# KiCad board nsec-badge-2025.kicad_pcb (continued)
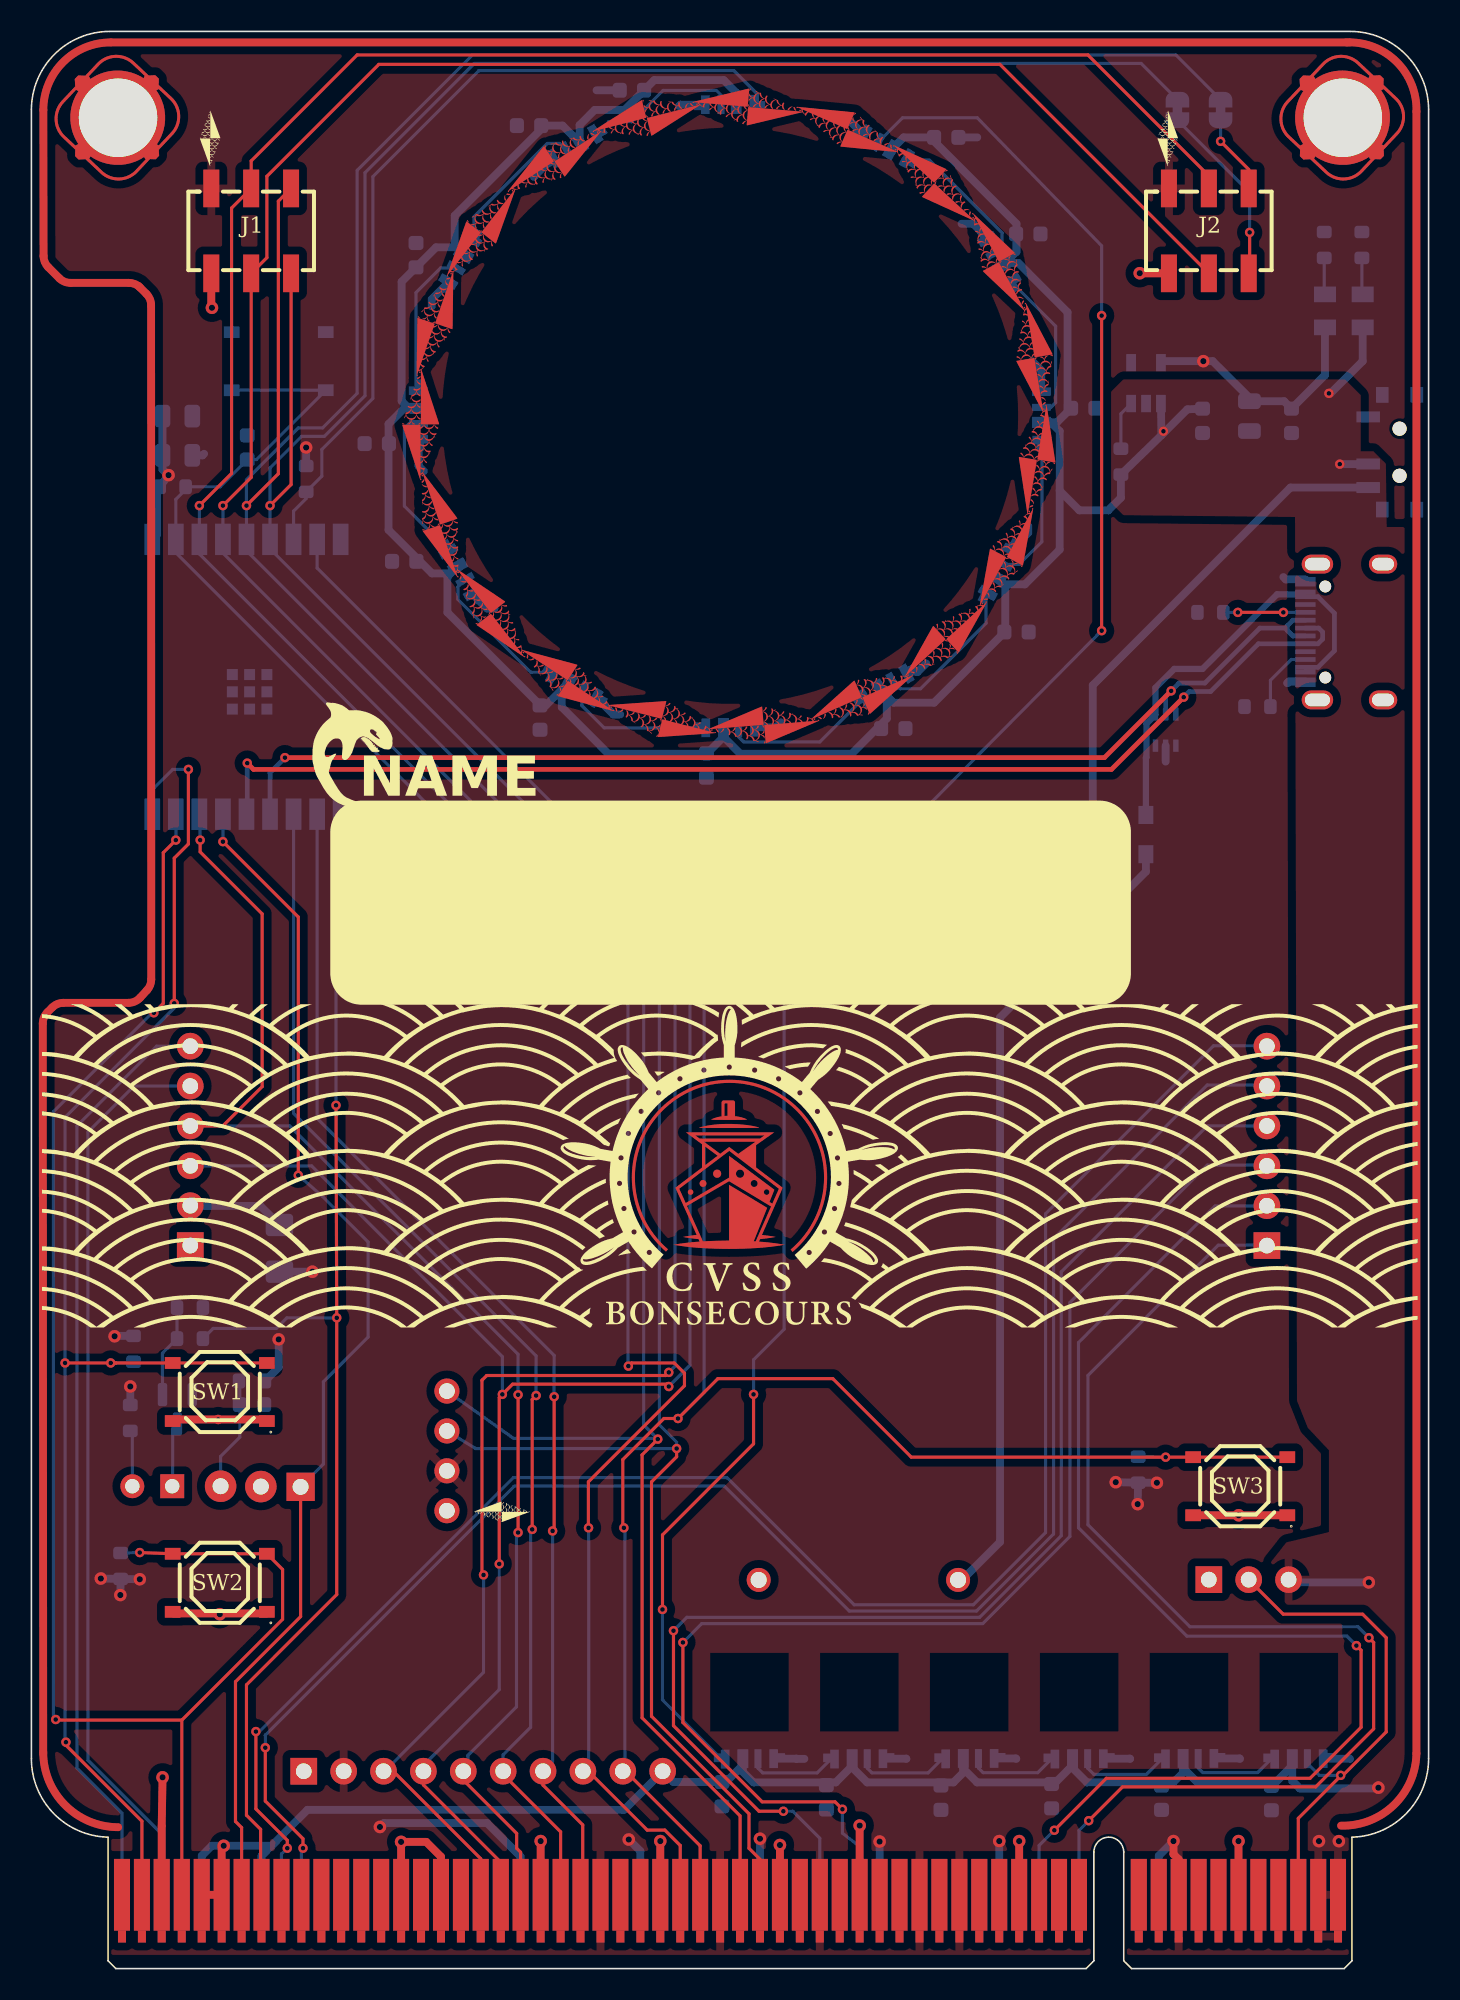
[diagram p0: board, top side]
## Footprints (pads in the part's own frame, mm; a bottom-side part is the same pattern mirrored in y, then rotated) (continued)
  rect 1.02x4.57 smd: B1(-38.73,1.33) B2(-37.46,1.33) B3(-36.2,1.33) B4(-34.92,1.33) B5(-33.65,1.33) B6(-32.38,1.33) B7(-31.11,1.33) B8(-29.84,1.33) B9(-28.57,1.33) B10(-27.3,1.33) B11(-26.03,1.33) B12(-24.77,1.33) B13(-23.49,1.33) B14(-22.22,1.33) B15(-20.95,1.33) B16(-19.68,1.33) B17(-18.41,1.33) B18(-17.14,1.33) B19(-15.88,1.33) B20(-14.6,1.33) B21(-13.34,1.33) B22(-12.06,1.33) B23(-10.79,1.33) B24(-9.52,1.33) B25(-8.25,1.33) B26(-6.98,1.33) B27(-5.71,1.33) B28(-4.44,1.33) B29(-3.17,1.33) B30(-1.9,1.33) B31(-0.63,1.33) B32(0.64,1.33) B33(1.91,1.33) B34(3.18,1.33) B35(4.45,1.33) B36(5.72,1.33) B37(6.99,1.33) B38(8.26,1.33) B39(9.53,1.33) B40(10.8,1.33) B41(12.07,1.33) B42(13.34,1.33) B43(14.61,1.33) B44(15.88,1.33) B45(17.15,1.33) B46(18.42,1.33) B47(19.69,1.33) B48(20.96,1.33) B49(22.23,1.33) B52(26.04,1.33) B53(27.31,1.33) B54(28.58,1.33) B55(29.85,1.33) B56(31.12,1.33) B57(32.39,1.33) B58(33.66,1.33) B59(34.93,1.33) B60(36.2,1.33) B61(37.47,1.33) B62(38.73,1.33)
  rect 0.51x0.76 smd: B1(-38.73,-1.33) B2(-37.46,-1.33) B3(-36.2,-1.33) B4(-34.92,-1.33) B5(-33.65,-1.33) B6(-32.38,-1.33) B7(-31.11,-1.33) B8(-29.84,-1.33) B9(-28.57,-1.33) B10(-27.3,-1.33) B11(-26.03,-1.33) B12(-24.77,-1.33) B13(-23.49,-1.33) B14(-22.22,-1.33) B15(-20.95,-1.33) B16(-19.68,-1.33) B17(-18.41,-1.33) B18(-17.14,-1.33) B19(-15.88,-1.33) B20(-14.6,-1.33) B21(-13.34,-1.33) B22(-12.06,-1.33) B23(-10.79,-1.33) B24(-9.52,-1.33) B25(-8.25,-1.33) B26(-6.98,-1.33) B27(-5.71,-1.33) B28(-4.44,-1.33) B29(-3.17,-1.33) B30(-1.9,-1.33) B31(-0.63,-1.33) B32(0.64,-1.33) B33(1.91,-1.33) B34(3.18,-1.33) B35(4.45,-1.33) B36(5.72,-1.33) B37(6.99,-1.33) B38(8.26,-1.33) B39(9.53,-1.33) B40(10.8,-1.33) B41(12.07,-1.33) B42(13.34,-1.33) B43(14.61,-1.33) B44(15.88,-1.33) B45(17.15,-1.33) B46(18.42,-1.33) B47(19.69,-1.33) B48(20.96,-1.33) B49(22.23,-1.33) B52(26.04,-1.33) B53(27.31,-1.33) B54(28.58,-1.33) B55(29.85,-1.33) B56(31.12,-1.33) B57(32.39,-1.33) B58(33.66,-1.33) B59(34.93,-1.33) B60(36.2,-1.33) B61(37.47,-1.33) B62(38.73,-1.33)
C_0603_1608Metric
  rrect 0.9x0.95 smd: 1(-0.775,0) 2(0.775,0)
C_0805_2012Metric
  rrect 1x1.45 smd: 1(-0.95,0) 2(0.95,0)
Fuse_1206_3216Metric_Pad1.42x1.75mm_HandSolder
  rrect 1.425x1.75 smd: 1(-1.488,0) 2(1.488,0)
HDR-SMD_6P-P2.54-V-F-R2-C3-LS7.0
  rect 1.02x2.4 smd: 1(-2.54,2.704) 2(0,2.704) 3(2.54,2.704) 4(2.54,-2.704) 5(0,-2.704) 6(-2.54,-2.704)
LANYARD-HOLE-4mm
  custom 7.999x8 hole 5: 1(0,0)
LED0805-R-RD
  rect 1x1.4 smd: 1(1.05,0) 2(-1.05,0)
LED-SMD_SK6812SIDE-A_C5378721
  custom 1x1.2 smd: 1(-1.768,0.013) 4(1.768,-0.013)
  custom 0.7x1.2 smd: 2(-0.418,-0.012)
  custom 0.45x1.2 smd: 3(0.543,-0.012)
LED-TH_L2.9-W2.9-P2.54-FD
  rect 1.524x1.524 hole 0.914: 1(-1.27,0)
  round 1.524 hole 0.914: 2(1.27,0)
OLED-TH_L38.0-W12.0_HS91L02W2C01
  round 1.6 hole 1: 1(0,-3.81) 2(0,-1.27) 3(0,1.27) 4(0,3.81)
PinHeader_1x10_P2.54mm_Vertical
  rect 1.7x1.7 hole 1: 1(0,0)
  oval 1.7x1.7 hole 1: 2(0,-2.54) 3(0,-5.08) 4(0,-7.62) 5(0,-10.16) 6(0,-12.7) 7(0,-15.24) 8(0,-17.78) 9(0,-20.32) 10(0,-22.86)
PinSocket_1x03_P2.54mm_Vertical
  rect 1.7x1.7 hole 1: 1(0,0)
  oval 1.7x1.7 hole 1: 2(0,-2.54) 3(0,-5.08)
PinSocket_1x06_P2.54mm_Vertical
  rect 1.7x1.7 hole 1: 1(0,0)
  oval 1.7x1.7 hole 1: 2(0,-2.54) 3(0,-5.08) 4(0,-7.62) 5(0,-10.16) 6(0,-12.7)
R_0603_1608Metric
  rrect 0.8x0.95 smd: 1(-0.825,0) 2(0.825,0)
SENSOR-TH_TSOP34838
  rect 1.803x1.803 hole 1.016: 1(-2.548,-0.02)
  round 2.007 hole 1.016: 2(-0.015,-0.003) 3(2.548,0.02)
SOD-123_L2.8-W1.8-LS3.7-RD
  rect 0.95x1.15 smd: 1(-1.692,0) 2(1.692,0)
SolderJumper-2_P1.3mm_Bridged_RoundedPad1.0x1.5mm
  custom 1x1.5 smd: 1(-0.65,0) 2(0.65,0)
SOT-23
  rrect 1.475x0.6 smd: 1(-0.938,0.95) 2(-0.938,-0.95) 3(0.938,0)
SOT-25-5_L2.9-W1.6-P0.95-LS2.8-BL
  rect 0.622x1.105 smd: 1(-0.95,-1.3) 2(-0.001,-1.3) 3(0.95,-1.3) 4(0.95,1.3) 5(-0.95,1.3)
SOT-363_L2.0-W1.3-P0.65-LS2.1-BL
  rect 0.35x0.78 smd: 1(-0.65,-0.99) 2(0,-0.99) 3(0.65,-0.99) 4(0.65,0.99) 5(0,0.99) 6(-0.65,0.99)
SW-SMD_4P-L5.1-W5.1-P3.70-LS6.5-TL_H1.5
  rect 1x0.75 smd: 1(-3,1.85) 2(3,1.85) 3(-3,-1.85) 4(3,-1.85)
SW-SMD_SSSS811101
  round 0.9 hole 0.9 unplated: (-1.5,-0.45) (1.5,-0.45)
  rect 0.7x1.5 smd: 1(-2.25,1.55) 2(0.75,1.55) 3(2.25,1.55)
  rect 1x0.8 smd: 4(-3.65,0.65) 5(3.65,0.65) 6(3.65,-1.55) 7(-3.65,-1.55)
USB-C_SMD-TYPE-C-31-M-12
  round 0.75 hole 0.75 unplated: (-2.9,1.206) (2.9,1.206)
  oval 1.2x2 hole 0.8x1.6: 0(-4.325,1.706) 1(4.325,1.706)
  oval 1.2x1.8 hole 0.8x1.4: 2(4.325,-2.474) 3(-4.325,-2.474)
  rect 0.3x1.3 smd: A1(-3.35,2.474) A4(-2.55,2.474) A5(-1.25,2.474) A6(-0.25,2.474) A7(0.25,2.474) A8(1.25,2.474) A9(2.55,2.474) A12(3.35,2.474) B1(3.05,2.474) B4(2.25,2.474) B5(1.75,2.474) B6(0.75,2.474) B7(-0.75,2.474) B8(-1.75,2.474) B9(-2.25,2.474) B12(-3.05,2.474)

## Nets
+3V3: C2.1 C3.1 C18.1 C19.1 F1.1 J1.1 J2.1 J3.2 J5.A21 J5.A27 J5.A33 J5.A39 J5.A45 J5.A53 J5.B25 J5.B31 J5.B36 J5.B41 J5.B43 J5.B54 LED2.1 R6.1 R7.1 R8.1 R9.1 R10.1 R11.1 R14.1 U1.1 U6.5 U7.2
GND: BT1.N C1.2 C2.2 C3.2 C4.2 C5.2 C6.2 C7.2 C8.2 C9.2 C10.2 C11.2 C12.2 C13.2 C14.2 C15.2 C16.2 C17.2 C18.2 C19.2 C20.2 C21.2 C22.2 C23.2 C24.2 C25.2 HOLE1.1 HOLE2.1 J1.6 J2.6 J3.1 J4.1 J5.A18 J5.A24 J5.A30 J5.A35 J5.A37 J5.A42 J5.A48 J5.A56 J5.B3 J5.B15 J5.B17 J5.B22 J5.B28 J5.B34 J5.B38 J5.B46 J5.B57 J6.1 KEY1.4 KEY1.5 KEY1.6 KEY1.7 Q1.2 R2.2 R3.2 R4.2 R5.2 R13.1 RGB1.4 RGB2.4 RGB3.4 RGB4.4 RGB5.4 RGB6.4 RGB7.4 RGB8.4 RGB9.4 RGB10.4 RGB11.4 RGB12.4 RGB13.4 RGB14.4 RGB15.4 RGB16.4 RGB17.4 RGB18.4 SW1.1 SW1.2 SW2.1 SW2.2 SW3.1 SW3.2 SW4.1 SW4.2 U1.9 U1.19 U2.0 U2.A1 U2.A12 U2.B1 U2.B12 U3.2 U5.2 U6.2 U7.1
SV1: J5.A3 J6.5
SV2: J5.A1 J6.6
SV3: J5.A49 J7.1
SV4: J5.A47 J7.2
SV5: J5.A38 J7.3
SV6: J5.A36 J7.4
SV7: J5.A10 J7.5
SV8: J5.A9 J7.6
VBAT: BT1.P D1.2
VBUS: D2.2 U2.A4 U2.A9 U2.B4 U2.B9 U3.4
VDD: C1.1 C5.1 C6.1 C7.1 C8.1 C9.1 C10.1 C11.1 C12.1 C13.1 C14.1 C15.1 C16.1 C20.1 C21.1 C22.1 C23.1 C24.1 C25.1 J3.10 J4.3 J5.A5 J5.A8 J5.A61 J5.A62 J5.B5 J5.B6 J5.B61 J5.B62 KEY1.2 LED1.1 R1.1 RGB1.2 RGB2.2 RGB3.2 RGB4.2 RGB5.2 RGB6.2 RGB7.2 RGB8.2 RGB9.2 RGB10.2 RGB11.2 RGB12.2 RGB13.2 RGB14.2 RGB15.2 RGB16.2 RGB17.2 RGB18.2 U6.1
BTN_A: J3.9 J5.B30 R9.2 SW3.3 SW3.4 U1.8
BTN_DOWN: J5.B4 R8.2 SW2.3 SW2.4 U1.17
BTN_UP: J5.B2 R7.2 SW1.3 SW1.4 U1.18
GPIO1: J1.3 J3.3 J5.B19 JP1.2 U1.5
GPIO2: J1.4 J3.4 J5.B20 J6.3 JP2.1 U1.6
GPIO3: J3.5 J5.B21 J6.4 U1.16
I2C_SCL: J1.5 J2.5 J5.B33 U1.4 U7.3
I2C_SDA: J1.2 J2.2 J5.B32 U1.3 U7.4
IR_IN: J5.B7 U1.15 U5.1
IR_OUT: J5.B8 R12.1 U1.10
POWER_IN: D1.1 D2.1 KEY1.3
RESET: C4.1 J3.8 J5.B29 R6.2 SW4.3 SW4.4 U1.2
RGB_LED: R14.2 RGB1.1 U1.7
RGB_OUT: J4.2 J5.B60 RGB18.3
UART_RX: J3.7 J5.B24 U1.11
UART_TX: J3.6 J5.B23 U1.12
USB_D+: U1.14 U2.A6 U2.B6 U3.6
USB_D-: U1.13 U2.A7 U2.B7 U3.5
Net-(J6-Pin_2): F1.2 J6.2
Net-(JP1-A): J2.3 JP1.1
Net-(JP2-B): J2.4 JP2.2
Net-(LED1--): LED1.2 R2.1
Net-(LED2--): LED2.2 R3.1
Net-(Q1-B): Q1.1 R12.2 R13.2
Net-(Q1-C): Q1.3 U4.1
Net-(RGB1-DOUT): RGB1.3 RGB2.1
Net-(RGB2-DOUT): RGB2.3 RGB3.1
Net-(RGB3-DOUT): RGB3.3 RGB4.1
Net-(RGB4-DOUT): RGB4.3 RGB5.1
Net-(RGB5-DOUT): RGB5.3 RGB6.1
Net-(RGB6-DOUT): RGB6.3 RGB7.1
Net-(RGB7-DOUT): RGB7.3 RGB8.1
Net-(RGB8-DOUT): RGB8.3 RGB9.1
Net-(RGB10-DIN): RGB9.3 RGB10.1
Net-(RGB10-DOUT): RGB10.3 RGB11.1
Net-(RGB11-DOUT): RGB11.3 RGB12.1
Net-(RGB12-DOUT): RGB12.3 RGB13.1
Net-(RGB13-DOUT): RGB13.3 RGB14.1
Net-(RGB14-DOUT): RGB14.3 RGB15.1
Net-(RGB15-DOUT): RGB15.3 RGB16.1
Net-(RGB16-DOUT): RGB16.3 RGB17.1
Net-(RGB17-DOUT): RGB17.3 RGB18.1
Net-(U2-CC1): R4.1 U2.A5
Net-(U2-CC2): R5.1 U2.B5
Net-(U4-A): R11.2 U4.2
Net-(U5-VS): C17.1 R10.2 U5.3
Net-(U6-EN): R1.2 U6.3

Pads without a net: J5 A2 A4 A6 A7 A11 A12 A13 A14 A15 A16 A17 A19 A20 A22 A23 A25 A26 A28 A29 A31 A32 A34 A40 A41 A43 A44 A46 A52 A54 A55 A57 A58 A59 A60 B1 B9 B10 B11 B12 B13 B14 B16 B18 B26 B27 B35 B37 B39 B40 B42 B44 B45 B47 B48 B49 B52 B53 B55 B56 B58 B59; KEY1 1; U2 1 2 3 A8 B8; U3 1 3; U6 4

## Via types
v1: diameter 0.8, hole 0.4, Top to Bottom, 36 vias
v2: diameter 0.6, hole 0.3, Top to Bottom, 65 vias

## Routing (per net, layer and track width the routed paths; a pad name or vN(x,y) marks a point on that pad's centre or on a via; arc(x,y) is an arc through that point)
+3V3: length 74.3
  Top w0.5: J5.B54 73.08,6.96 72.75,7.29 v1(72.75,8.12)
  Bottom w0.5: R10.1 15.75,38.3 v1(15.75,40.07) ; v1(17.5,96.87) R14.1 ; LED2.1 82.4,101.48 C3.1 79.79,99.82 C2.1 77.59,100.03 75.25,102.37 v1(74.65,102.37) 72.05,102.37 U6.5 ; J5.A27 38.79,7.48 v1(38.05,8.22) ; R7.1 5.33,40.3 v1(5.3,40.27) ; R8.1 v1(5.66,23.79) ; R8.1 v1(6.9,24.8) ; R8.1 v1(4.42,24.84) ; v1(72.75,8.12) 71.81,7.18 J5.A53 ; C18.1 C19.1 8.35,95.47 v1(8.74,95.11) R6.1 8,94.2 8,91.32 U1.1 ; J5.A39 v1(54.03,8.09) ; v1(6.3,37.07) R11.1 ; v1(22.2,9.02) 22.45,9.27 29.03,9.27 31.16,7.13 J5.A21 ; J5.A45 v1(61.65,8.12) ; v1(46.41,8.27) J5.A33 ; R9.1 v1(69.07,30.98) ; R9.1 v1(70.47,29.58) ; R9.1 v1(71.69,30.94) ; v1(17.9,44.38) F1.1
GND: length 95.4
  Top w0.5: v1(8.36,12.18) 8.3,9.07 J5.B3 ; J5.B28 40.06,8.06 ; 73.9,28.87 79.9,28.87 ; v1(52.76,9.11) J5.B38 ; J5.B34 v1(47.68,7.87) ; J5.B57 76.89,7.98 ; J5.B46 v1(62.92,8.12) ; J1.6 11.46,105.81 v1(11.5,105.77) ; 32.5,8.12 32.44,8.06 J5.B22 ; 9,34.97 15,34.97 ; v1(70.6,107.97) 70.61,107.96 J2.6 ; J5.B15 v1(23.55,8.07) 25.14,8.07 26.09,7.12 J5.B17 ; 9,22.62 15,22.62
  Bottom w0.4: 74.35,86.37 74.15,86.37
  Bottom w0.5: 47.75,79.37 47.43,79.05 RGB7.4 ; 25,95.37 24.66,95.71 RGB4.4 ; 41.25,118.62 41.34,118.71 RGB1.4 ; RGB13.4 48.72,13.37 48.74,13.36 49.24,13.36 ; 59.25,111.12 59.98,111.12 RGB11.4 ; 51.75,117.87 51.93,117.87 RGB12.4 ; RGB15.4 62.71,13.38 62.74,13.36 ; C5.2 36,119.62 ; RGB16.4 69.97,13.37 69.99,13.36 ; U2.A1 79.9,88.47 79.75,88.62 ; 11,96.47 10.9,96.37 C19.2 ; U3.2 72.25,76.87 ; RGB5.4 29.02,86.62 29.5,86.62 ; 32,114.12 32.02,114.12 RGB2.4 ; RGB6.4 37.07,79.87 37.5,79.87 ; RGB18.4 83.97,13.37 83.99,13.36 ; 25.5,105.87 25.5,106.3 RGB3.4 ; RGB9.4 63.5,91.44 63.5,91.87 ; 80.05,81.87 80,81.87 80.1,81.97 81.15,81.97 ; 76.99,13.36 76.96,13.38 RGB17.4 ; C16.2 60.25,116.62 ; 55.74,13.36 55.72,13.37 RGB14.4 ; 57,83.12 56.46,82.58 RGB8.4 ; 63.75,102.37 64.34,101.78 RGB10.4
  vias: v1(12,22.57) v1(32.44,8.12) v1(40.06,8.12) v1(76.9,28.87) v1(76.89,8.12) v2(11.9,34.97)
SV1: length 58.3
  Bottom w0.2: J6.5 6.53,56.2 3.6,53.27 3.6,13.27 8.3,8.57 J5.A3
SV2: length 59.5
  Bottom w0.2: J5.A1 5.77,9.9 2.9,12.77 2.9,53.67 7.97,58.75 10.17,58.75
SV3: length 76.8
  Top w0.2: v2(67.35,9.42) 69.5,11.57 81.8,11.57 85.5,15.27 85.5,20.77 v2(85.2,21.07)
  Bottom w0.2: v2(85.2,21.07) 84.5,21.77 73.8,21.77 67.3,28.27 67.3,37.77 75.6,46.07 78.72,46.07 78.75,46.05 ; J5.A49 66.73,8.8 v2(67.35,9.42)
SV4: length 80.4
  Top w0.2: v2(84.4,20.57) 84.7,20.27 84.7,15.37 81.45,12.12 68.47,12.12 v2(65.16,8.81)
  Bottom w0.2: 78.75,48.59 78.74,48.57 75.4,48.57 66.7,39.87 66.7,28.07 73.6,21.17 83.8,21.17 v2(84.4,20.57) ; J5.A47 64.19,7.84 v2(65.16,8.81)
SV5: length 84.2
  Top w0.2: v2(51.66,10.15) 51.19,10.62 46.55,10.62 41.5,15.67 v2(41.5,20.77)
  Bottom w0.2: 52.76,6.79 J5.A38 52.77,7.77 51.66,8.62 v2(51.66,10.15) ; v2(41.5,20.77) 42.7,21.97 60.6,21.97 66.15,27.52 66.15,42.42 74.9,51.17 78.71,51.17 78.75,51.12
SV6: length 83
  Top w0.2: v2(40.9,21.52) 40.9,15.47 46.35,10.02 v2(47.9,10.02)
  Bottom w0.2: 78.75,53.67 78.75,53.67 74.9,53.67 65.6,44.37 65.6,27.57 60.4,22.37 41.75,22.37 v2(40.9,21.52) ; J5.A36 50.22,8.3 48.5,10.02 v2(47.9,10.02)
SV7: length 109.8
  Top w0.2: v2(14.9,14.07) 14.9,10.67 17.3,8.27 v2(17.3,7.67)
  Bottom w0.2: v2(14.9,14.07) 14.9,14.87 30.75,30.72 44.15,30.72 52.1,22.77 60.2,22.77 65.11,27.68 65.11,46.48 74.9,56.27 78.69,56.27 78.75,56.2 ; J5.A10 17.2,7.57 v2(17.3,7.67)
SV8: length 112.5
  Top w0.2: v2(16.3,7.67) 16.3,8.17 14.3,10.17 v2(14.3,15.09)
  Bottom w0.2: 78.75,58.75 78.72,58.77 75.3,58.77 64.6,48.07 64.6,27.77 60,23.17 52.41,23.17 44.31,31.27 30.7,31.27 14.53,15.09 v2(14.3,15.09) ; J5.A9 15.93,7.3 v2(16.3,7.67)
VBAT: length 51.3
  Bottom w0.5: BT1.P 59.28,24.75 61.7,27.17 61.7,60.57 70.99,69.86 D1.2
VBUS: length 27.5
  Bottom w0.2: U2.B4 U2.A9
  Bottom w0.3: U2.B4 81.95,82.87 83,83.92 83,86.32 81.95,87.37 U2.B9
  Bottom w0.4: 81,87.52 79.35,87.52 74.6,82.77 72.8,82.77 71.6,81.57 U3.4 71.03,79.28 71.03,77.14 70.99,77.11 D2.2
VDD: length 280.1
  Top w0.5: 85.8,11.67 v1(85.8,11.52) 85.65,11.52 ; v1(12.25,7.82) 12.12,7.69 J5.B6 J5.A5
  Bottom w0.5: 44.09,78.44 45.16,77.37 52.25,77.37 54.49,79.61 54.49,81.04 RGB8.2 54.91,80.62 57.5,80.62 62.03,85.15 62.03,88.03 RGB9.2 61.91,88.16 63.29,88.16 65.5,90.37 65.5,97.91 64.94,98.47 ; 44.09,78.44 43.02,77.37 36.75,77.37 33.79,80.33 33.79,81.46 RGB6.2 32.77,80.45 32.43,80.45 26.5,86.37 26.5,88.66 RGB5.2 26.7,88.85 25.52,88.85 22.75,91.62 22.75,98.37 23.74,99.36 RGB4.2 24.06,99.36 23.58,99.84 23.58,107.43 25.78,109.62 27.06,109.62 RGB3.2 26.97,109.71 26.97,111.64 32.7,117.37 33.84,117.37 RGB2.2 34.92,116.28 34.92,117.41 35.88,118.37 37.78,118.37 39.68,120.27 44.1,120.27 44.89,119.48 RGB1.2 ; 44.09,78.44 RGB7.2 ; C20.1 40.9,11.88 J3.10 37.75,10.11 17.58,10.11 15.3,7.82 ; RGB18.2 80.32,11.95 80.8,11.47 85.75,11.47 v1(85.8,11.52) ; RGB18.2 80.32,12.93 79.25,11.86 74.28,11.86 73.36,12.78 RGB17.2 73.36,12.48 72.74,11.86 67.24,11.86 66.32,12.78 RGB16.2 66.32,12.94 65.24,11.86 60.24,11.86 59.36,12.73 RGB15.2 59.36,12.48 58.74,11.86 53.24,11.86 52.28,12.81 RGB14.2 52.28,12.9 51.24,11.86 45.99,11.86 45.32,12.53 RGB13.2 45.32,12.95 44.48,12.11 ; RGB18.2 80.28,13.33 ; 71.98,97.65 R1.1 69.4,93.67 68.6,92.87 66.75,92.87 65.5,94.12 ; 71.98,97.65 U6.1 ; 71.98,97.65 72.11,97.78 v2(72.11,97.91) 72.24,97.91 73.63,99.3 C1.1 ; 64.94,98.47 65.33,98.47 66,99.15 66,105.49 62.87,108.62 62.04,108.62 RGB11.2 62.75,109.33 62.75,111.12 57.25,116.62 55.56,116.62 RGB12.2 ; 64.94,98.47 RGB10.2 ; LED1.1 84.8,102.37 82.75,100.32 v2(82.65,100.32) ; KEY1.2 85.14,95.81 v2(83.34,95.81) ; v1(85.19,24.59) 80.25,24.59 J4.3 ; J5.A8 14.66,7.19 15.3,7.82 ; 15.3,7.82 v1(12.25,7.82) 11.49,7.82 10.85,7.19 J5.A5
  vias: v1(82.01,8.12) v1(83.28,8.12)
BTN_A: length 145.2
  Top w0.2: J5.B30 42.6,7.82 37.85,12.57 J3.9 ; v2(37.74,28.07) 37.67,28.14 37.67,32.42 40.29,35.03 v2(41.19,35.03) 43.72,37.57 51.05,37.57 56.05,32.57 v2(72.25,32.57) SW3.4 SW3.3
  Bottom w0.2: v2(41.19,35.03) 42.85,36.7 42.85,64.55 18.2,89.2 U1.8 ; v2(37.74,28.07) 37.8,28.01 37.8,12.7 J3.9 ; 70.49,32.59 v2(72.25,32.57)
BTN_DOWN: length 103.2
  Top w0.2: 9.58,15.82 J5.B4 ; 9.58,15.82 1.59,15.82 v2(1.55,15.86) ; 9.58,15.82 16,22.24 16,25.42 SW2.3 SW2.4 v2(6.9,26.5) ; v2(9.2,71.87) 8.4,71.07 8.4,61.47 v2(7.8,60.87)
  Bottom w0.2: v2(9.2,71.87) U1.17 ; v2(1.55,15.86) 1.4,16.01 1.4,54.57 7.7,60.87 v2(7.8,60.87) ; 5.69,26.47 v2(6.9,26.5)
BTN_UP: length 95.7
  Top w0.2: v2(2.14,38.57) v2(5.05,38.57) 5.4,38.57 SW1.4 SW1.3 ; v2(2.2,14.42) 2.2,14.23 7.04,9.39 J5.B2 ; v2(10,76.37) 10,71.62 9.1,70.72 v2(9.1,61.47)
  Bottom w0.2: U1.18 7.7,75.07 9,76.37 v2(10,76.37) ; v2(2.2,14.42) 2.15,14.47 2.15,38.56 v2(2.14,38.57) 2.14,54.21 9.1,61.17 v2(9.1,61.47) ; 6.58,38.59 v2(5.05,38.57)
GPIO1: length 222.3
  Top w0.2: J1.3 15.73,112.56 15.73,95.2 v2(13.7,93.17) ; v2(40.6,37.97) 40.4,37.77 29,37.77 28.7,37.47 28.7,25.17 v2(28.8,25.07) ; J5.B19 28.62,7 23.05,12.57 J3.3
  Bottom w0.2: v2(28.8,25.07) 28.8,18.87 22.5,12.57 J3.3 ; v2(40.6,37.97) 41,38.37 41,63 13.7,90.29 ; U1.5 v2(13.7,93.17) 13.7,94.82 17,98.12 18.55,98.12 20.75,100.32 20.75,114.52 28.1,121.87 72.9,121.87 JP1.2
GPIO2: length 237.4
  Top w0.2: v2(29.8,25.77) 29.8,36.37 v2(30,36.57) 30.65,37.22 40.45,37.22 v2(40.6,37.07) ; J3.4 24.97,11.7 29.9,6.77 J5.B20 ; J1.4 16.54,94.51 v2(15.2,93.17)
  Bottom w0.2: JP2.1 70.69,121.33 28.21,121.33 21.25,114.37 21.25,100.17 18.66,97.58 17.21,97.58 15.2,95.57 v2(15.2,93.17) U1.6 15.2,90.42 41.95,63.67 41.95,38.42 v2(40.6,37.07) ; J3.4 24.97,12.94 29.8,17.77 v2(29.8,25.77) ; 10.17,51.12 10.17,51.12 17.85,51.12 30,38.97 v2(30,36.57)
GPIO3: length 88.4
  Top w0.2: J5.B21 31.16,7.41 30.91,7.66 30.91,8.61 27.51,12.01 J3.5 ; v2(31,27.77) v2(31,36.55) ; 10.17,53.67 12.19,53.67 14.7,56.17 14.7,67.17 10.75,71.12 v2(10.75,71.87)
  Bottom w0.2: v2(31,27.77) 30.9,27.67 30.9,16.67 27.8,13.57 27.8,12.86 ; v2(10.75,71.87) 10.75,73.47 U1.16 ; 10.17,53.67 16.45,53.67 31,39.12 v2(31,36.55)
I2C_SCL: length 209.5
  Top w0.2: v2(12.2,93.17) 14,94.97 J1.5 15,108.96 15,114.14 22.13,121.27 61.69,121.27 J2.5 ; v2(41.1,33.12) 41.1,32.59 39.5,31 39.5,16.07 45.71,9.86 45.71,7.66 46.41,6.96 J5.B33
  Bottom w0.2: U7.3 28.29,33.12 v2(41.1,33.12) 41.1,33.52 40,34.62 40,62.34 12.2,90.15 U1.4 v2(12.2,93.17)
I2C_SDA: length 209.1
  Top w0.2: J2.2 75,114.17 67.3,121.87 20.75,121.87 14,115.12 J1.2 12.75,112.12 12.75,95.22 v2(10.7,93.17) ; J5.B32 45.14,9.73 38.9,15.97 38.9,32.72 v2(39.9,33.72)
  Bottom w0.2: v2(10.7,93.17) U1.3 10.7,90.09 39,61.79 39,34.62 v2(39.9,33.72) 39.85,33.77 30.71,33.77 U7.4
IR_IN: length 76.4
  Top w0.2: U5.1 17.15,22.42 13,18.27 13,9.37 13.39,8.98 J5.B7 ; v2(12.2,71.77) 17,66.97 v2(17,50.52)
  Bottom w0.2: v2(17,50.52) 18.55,49.17 21.45,46.27 21.45,40.22 18.6,37.37 18.6,32.13 U5.1 ; v2(12.2,71.77) U1.15
IR_OUT: length 80.8
  Top w0.2: 19.47,41.47 v2(19.45,41.45) ; v2(19.45,41.45) v2(19.4,54.98) ; v2(19.45,41.45) 19.45,23.82 13.7,18.07 13.7,9.77 14.6,8.87 14.6,4.76 J5.B8
  Bottom w0.2: v2(19.4,54.98) 19.4,70.85 19.72,71.95 U1.10 ; v2(19.45,41.45) 16.28,41.45 15.6,40.77 11.58,40.77 R12.1
POWER_IN: length 33.5
  Bottom w0.5: D1.1 D2.1 67.61,81.73 80.2,94.32 KEY1.3
RESET: length 128.9
  Top w0.2: J5.B29 41.33,7.84 40.35,8.82 39.23,8.82 35.48,12.57 J3.8 ; v2(35.49,28.07) 35.48,28.08 35.48,31 41.6,37.12 41.6,37.92 40.95,38.57 38.22,38.57 v2(38.03,38.37)
  Bottom w0.2: 10,94.37 9.2,93.57 U1.2 9.2,90.17 38,61.37 38,38.4 v2(38.03,38.37) ; R6.2 12.03,94.37 C4.1 14.32,96.09 SW4.3 SW4.4 ; 35.48,12.57 35.5,12.59 35.5,28.06 v2(35.49,28.07)
RGB_LED: length 53.7
  Bottom w0.2: RGB1.1 46.24,119.38 44.75,120.87 28.5,120.87 21.75,114.12 21.75,100 18.5,96.75 18.5,95.05 R14.2 17.5,93.62 16.7,92.82 U1.7
RGB_OUT: length 31.8
  Top w0.2: J4.2 79.74,22.57 84.8,22.57 86.3,21.07 86.3,15.07 83.54,12.31 v2(83.4,12.31) 83.4,12.27 80.7,9.57 J5.B60
  Bottom w0.2: v2(83.4,12.31) 82.04,12.31 81.28,13.06 RGB18.3
UART_RX: length 76.3
  Top w0.2: v2(33.3,36.42) 33.3,27.97 v2(33.2,27.87) ; J3.7 32.59,11.68 35.12,9.15 35.12,4.84
  Bottom w0.2: v2(33.2,27.87) 33.2,13.18 J3.7 ; v2(33.3,36.42) 33.3,39.05 18.2,54.15 U1.11
UART_TX: length 77.6
  Top w0.2: J3.6 30.05,12.37 33.71,8.71 J5.B23 ; v2(32.15,36.5) 31.9,36.25 v2(31.9,27.97)
  Bottom w0.2: v2(31.9,27.97) 31.8,27.87 31.8,15.37 30.05,13.62 J3.6 ; U1.12 16.7,54.47 32.15,39.02 v2(32.15,36.5)
USB_D+: length 78.3
  Top w0.3: v2(73.4,80.97) 68.8,76.37 14.15,76.37 v2(13.75,76.77)
  Bottom w0.3: v2(13.75,76.77) 13.75,73.57 U1.14 ; U2.A6 82,85.37 82.25,85.12 82.25,84.67 81.95,84.37 78.16,84.37 75.12,81.33 73.76,81.33 72.9,80.47 U3.6
USB_D-: length 76.2
  Top w0.3: v2(72.6,81.37) 68.35,77.12 v2(16.15,77.12)
  Bottom w0.3: 80.2,85.02 79.85,85.37 78.25,85.37 74.75,81.87 73.1,81.87 v2(72.6,81.37) 72.25,81.02 U3.5 ; 80.2,85.02 80.35,84.87 U2.A7 ; 80.2,85.02 80,85.22 80,85.52 80.35,85.87 U2.B7 ; U1.13 15.2,76.17 v2(16.15,77.12)
Net-(J6-Pin_2): length 6.1
  Bottom w0.2: 10.19,48.57 10.17,48.59
  Bottom w0.5: 10.19,48.57 14.59,48.57 F1.2
Net-(JP1-A): length 5.1
  Top w0.2: J2.3 77.54,114.58 v2(75.75,116.37)
  Bottom w0.2: JP1.1 v2(75.75,116.37)
Net-(JP2-B): length 11.7
  Top w0.2: J2.4 77.6,108.02 v2(77.6,110.57)
  Bottom w0.2: JP2.2 77.6,113.12 v2(77.6,110.57)
Net-(LED1--): length 2.3
  Bottom w0.2: LED1.2 84.75,106.67 84.75,108.95
Net-(LED2--): length 2.3
  Bottom w0.2: 82.35,108.95 82.35,106.67 LED2.2
Net-(Q1-B): length 5.9
  Bottom w0.2: 9.28,42.09 9.28,40.12 8.35,39.2 Q1.1
Net-(Q1-C): length 4.1
  Bottom w0.2: Q1.3 9,34.38 9,30.75 U4.1
Net-(RGB1-DOUT): length 9.7
  Bottom w0.2: RGB1.3 43.93,119.31 43.63,119.61 40.24,119.61 38.25,117.62 36.78,117.62 RGB2.1
Net-(RGB2-DOUT): length 9.3
  Bottom w0.2: RGB3.1 28.19,111.56 32.86,116.23 33.66,116.23 RGB2.3
Net-(RGB3-DOUT): length 9.3
  Bottom w0.2: RGB3.3 26.07,108.31 24.5,106.74 24.5,100.85 RGB4.1
Net-(RGB4-DOUT): length 9.8
  Bottom w0.2: RGB4.3 24.06,98.4 23.76,98.1 23.76,93.14 RGB5.1
Net-(RGB5-DOUT): length 9.3
  Bottom w0.2: RGB5.3 27.16,88 27.16,87.21 31.81,82.56 RGB6.1
Net-(RGB6-DOUT): length 9.3
  Bottom w0.2: RGB6.3 35.06,80.44 36.48,79.02 RGB7.1
Net-(RGB7-DOUT): length 9.7
  Bottom w0.2: RGB7.3 45.05,78.44 45.37,78.12 50.22,78.12 RGB8.1
Net-(RGB8-DOUT): length 9.6
  Bottom w0.2: RGB9.1 60.81,85.68 56.64,81.51 55.34,81.51 RGB8.3
Net-(RGB10-DIN): length 9.3
  Bottom w0.2: RGB9.3 62.93,89.43 64.36,90.86 RGB10.1
Net-(RGB10-DOUT): length 9.7
  Bottom w0.2: RGB11.1 65.24,104.6 65.24,99.73 64.94,99.43 RGB10.3
Net-(RGB11-DOUT): length 9.3
  Bottom w0.2: RGB11.3 61.84,109.74 61.84,110.53 57.19,115.18 RGB12.1
Net-(RGB12-DOUT): length 127.8
  Top w0.2: v2(68.17,105.27) v2(68.17,85.21) ; v2(46,36.57) 46,33.42 40.2,27.62 v2(40.2,22.87)
  Bottom w0.2: RGB12.3 55.49,117.87 60.25,117.87 68.17,109.72 v2(68.17,105.27) ; v2(46,36.57) 46,38.77 47.95,40.72 47.95,64.82 v2(68.17,85.21) ; v2(40.2,22.87) 40.2,17.11 RGB13.1
Net-(RGB13-DOUT): length 5.7
  Bottom w0.2: RGB13.3 46.28,12.76 46.58,12.47 50.05,12.47 RGB14.1
Net-(RGB14-DOUT): length 5.9
  Bottom w0.2: RGB14.3 53.24,12.76 53.54,12.47 57.12,12.47 RGB15.1
Net-(RGB15-DOUT): length 5.7
  Bottom w0.2: RGB15.3 60.32,12.78 60.62,12.48 64.1,12.48 RGB16.1
Net-(RGB16-DOUT): length 5.9
  Bottom w0.2: RGB17.1 71.03,12.37 67.68,12.37 67.28,12.76 RGB16.3
Net-(RGB17-DOUT): length 5.7
  Bottom w0.2: RGB17.3 74.32,12.78 74.62,12.48 78.1,12.48 RGB18.1
Net-(U2-CC1): length 5.2
  Top w0.2: v2(79.75,86.37) v2(76.85,86.37)
  Bottom w0.2: v2(79.75,86.37) U2.A5 ; R4.1 v2(76.85,86.37)
Net-(U2-CC2): length 4.4
  Bottom w0.2: U2.B5 80.25,83.37 78.92,82.04 R5.1
Net-(U4-A): length 3.6
  Bottom w0.2: R11.2 6.43,34.12 U4.2
Net-(U5-VS): length 7.2
  Bottom w0.2: U5.3 12.05,32.62 13.28,33.84 13.28,37.37 R10.2
Net-(U6-EN): length 3.1
  Bottom w0.2: U6.3 69.4,99.02 69.4,96.8

## Copper pours and planes (outline as drawn; the poured copper is in the pictures)
+3V3 on Top: -12,129.37 100.5,129.37 100.8,0.87 -11.7,0.87
GND on Bottom: -15,130.87 105,130.87 104.7,0.87 -15.3,0.87
VDD on Top: 68.55,92.57 80.49,92.44 80.62,35.17 82.65,33.01 82.65,27.8 78.97,26.91 78.97,22.09 84,22.07 84.05,15.23 81.25,12.56 81.13,1.26 84.43,1.26 84.56,8.12 87.09,8.12 89.38,10.78 89.38,91.81 86.33,91.81 86.27,96.64 84.68,96.64 84.68,101.21 68.55,101.21
VDD on Bottom: 81.25,8.75 81.25,1.38 84.3,1.38 84.05,8.75

## Text on the board
B.Mask: 2025
B.Silkscreen: GPIO3 | GPIO2 | +3V3 | GND | RESET | 2 | 1 | MCU provided by | GPIO1 | SDA | SCL | 3V3 | TX | RX | RST | BOOT | +5V | RGB | VDD | 8 | 7 | 6 | 5 | 4 | 3 | DO NOT CONNECT / TO COMPUTER PCI PORT
